# Altium PCB PCB.PcbDoc
Units mm, origin at the board's own origin, x right, y up, seen from the top; angles counter-clockwise.
Board outline 20 x 35 mm, 4 copper layers (L01_SIG, L02_GND, L03_SIG, L04_GND), stack 1.564 mm thick; 23 components, 7 nets, 48 pads, 43 vias.
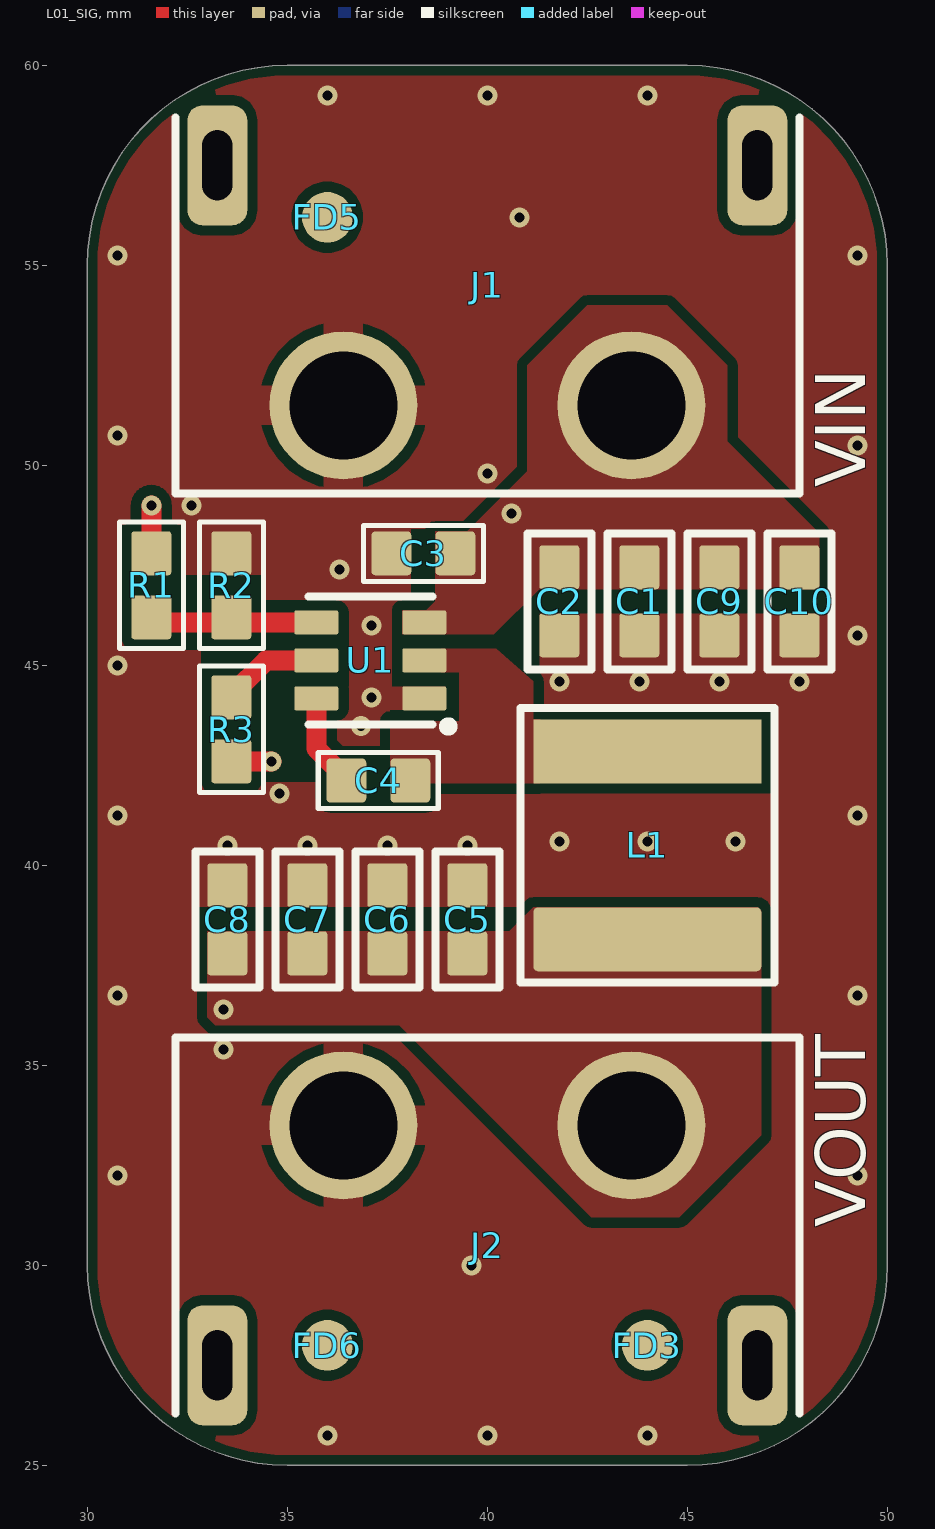
[diagram p0: L01_SIG view]
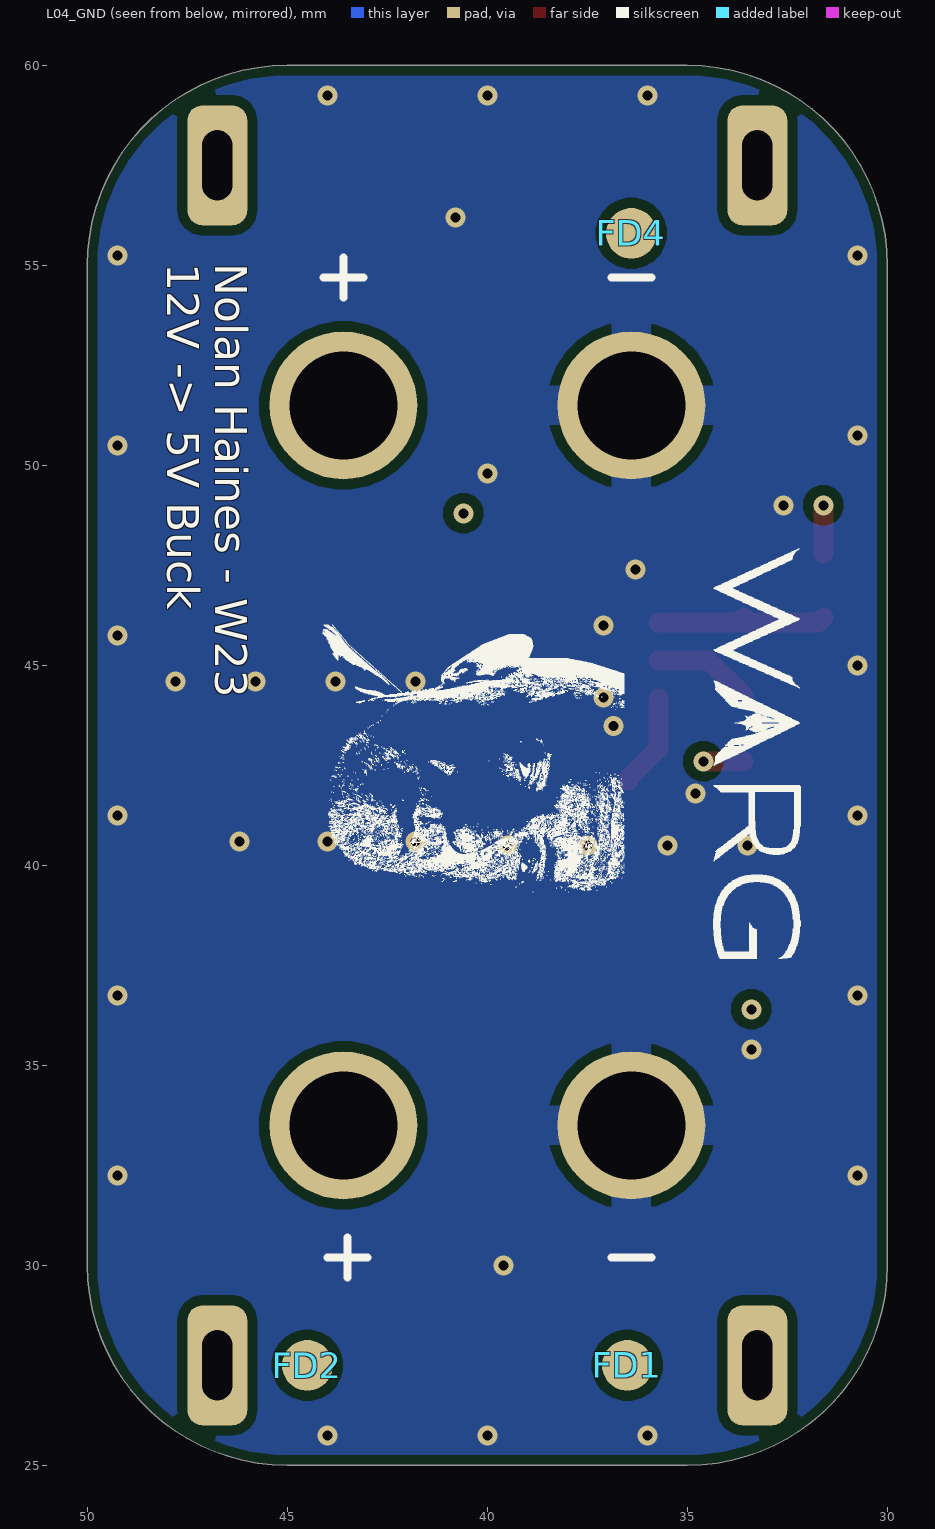
[diagram p1: L04_GND view, seen from below]
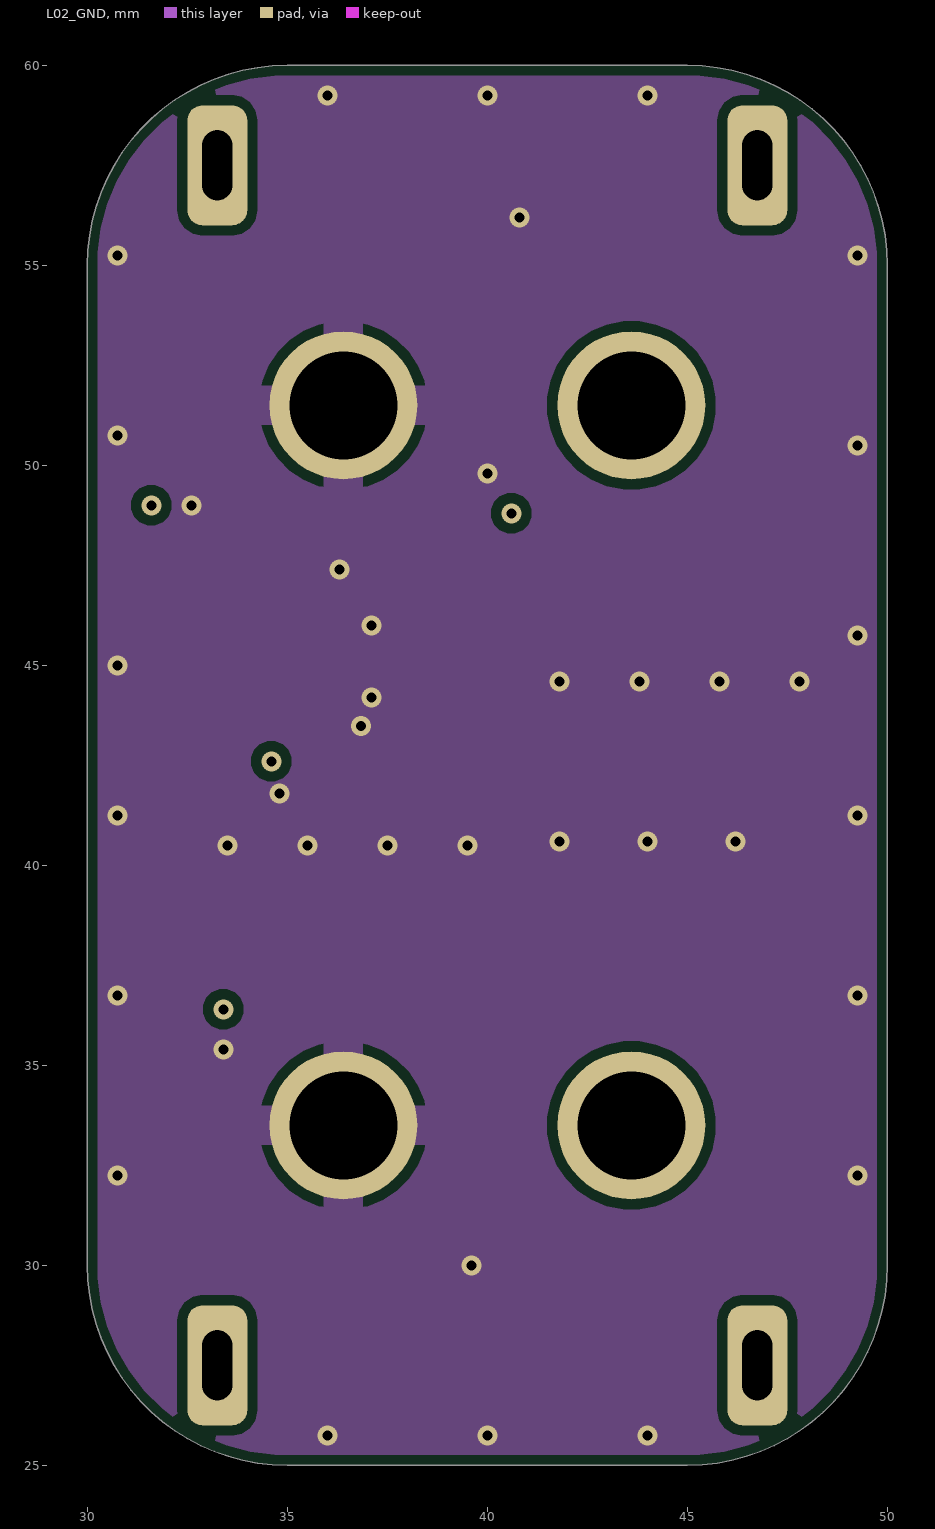
[diagram p2: L02_GND]
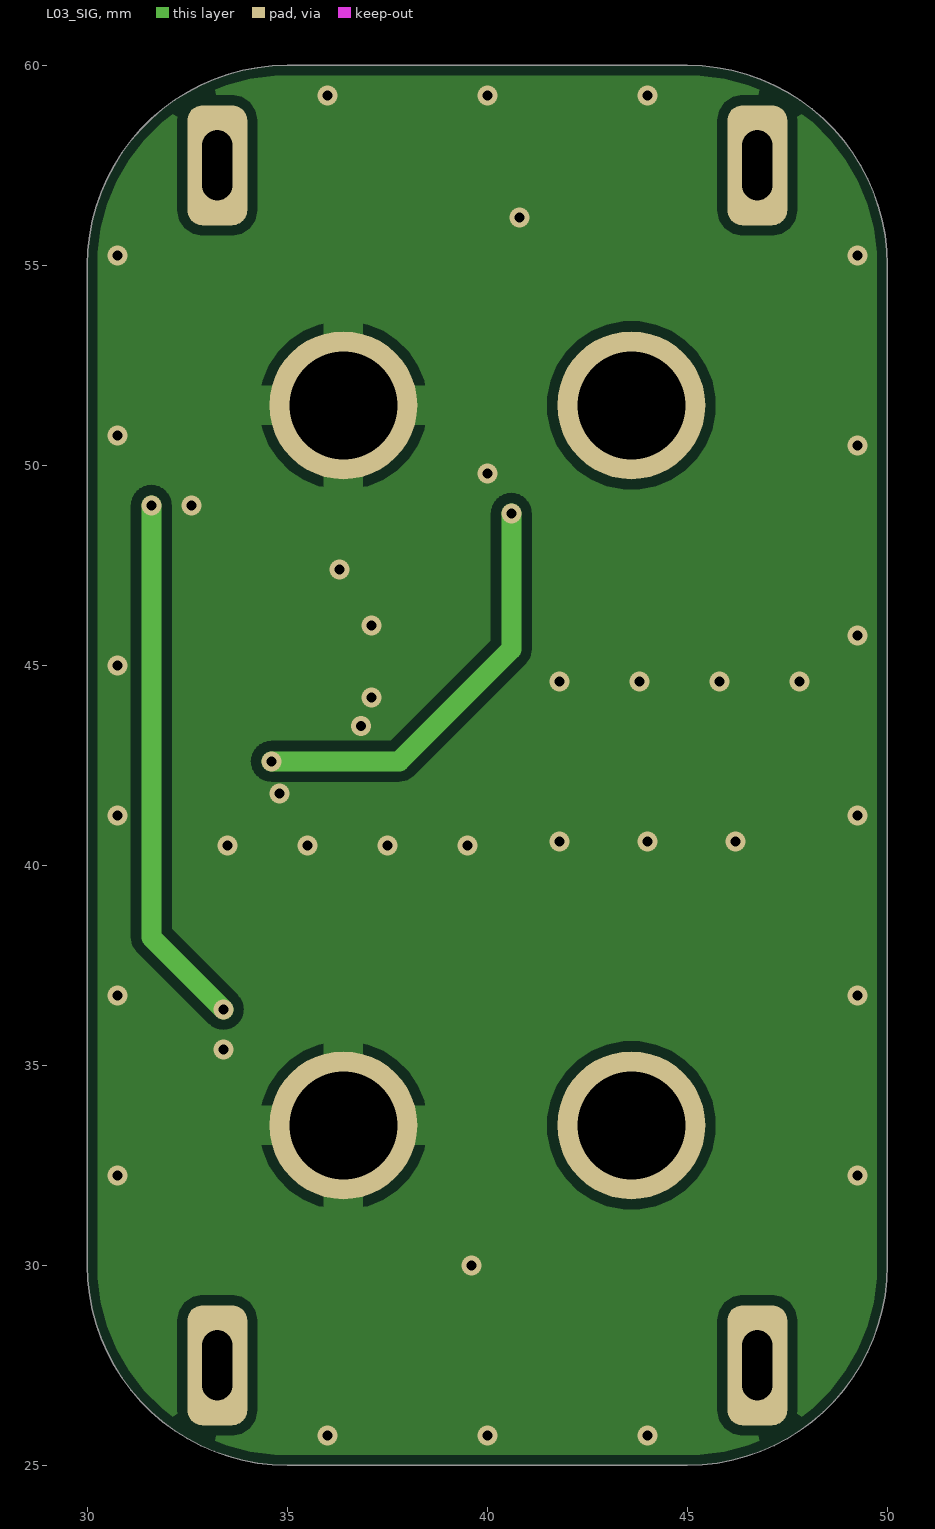
[diagram p3: L03_SIG]
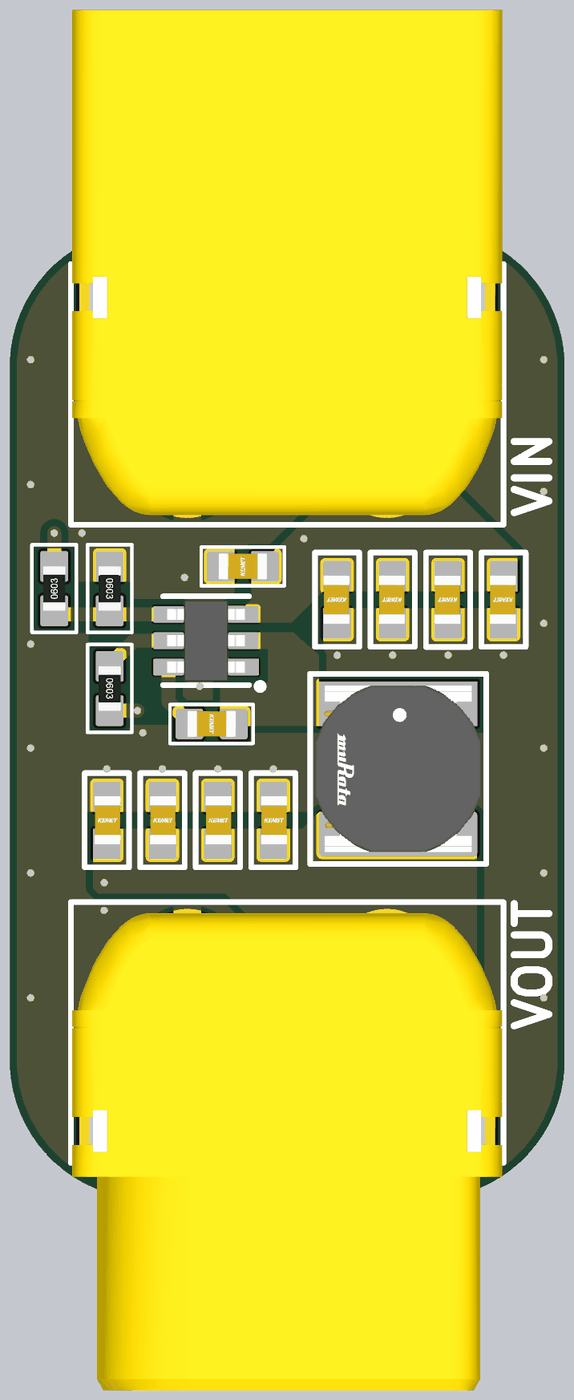
[diagram p4: 3D render of the assembled board from above, using the file's embedded part models]

## Layer stack, top to bottom
Top Solder: solder mask 0.02, Solder Resist, Dk 3.5
L01_SIG: signal copper 0.035
Dielectric 1: prepreg 0.0994, PP-006, Dk 4.1
L02_GND: signal copper 0.0152
Core: core 1.265, FR-4, Dk 4.8
L03_SIG: signal copper 0.0152
Dielectric 2: prepreg 0.0994, PP-006, Dk 4.1
L04_GND: signal copper 0.035
Bottom Solder: solder mask 0.02, Solder Resist, Dk 3.5

## Board outline
30,30 ccw(c35,30) 35,25 45,25 ccw(c45,30) 50,30 50,55 ccw(c45,55) 45,60 35,60 ccw(c35,55) 30,55

## Design rules (kind name [scope] priority, off if disabled: settings)
AcuteAngle [All] p1: minimum=7.50000000000000E+0001 checktracksonly=FALSE
BoardOutlineClearance [All] p1: gap=0.254 ignorepadtopadclearanceinfootprint=FALSE except(0: Arc-SplitContinuation Track-SplitContinuation SMDPad-SplitContinuation THPad-SplitContinuation Via-SplitContinuation Fill-SplitContinuation Poly-SplitContinuation Region-SplitContinuation Text-SplitContinuation)
Clearance [All] p1: gap=0.25 ignorepadtopadclearanceinfootprint=FALSE
HoleSize [All] p1: absolutevalues=TRUE maxlimit=5 minlimit=0.3 maxpercent=80.000 minpercent=20.000
HoleToHoleClearance [All] p1: gap=0.5 allowstackedmicrovias=FALSE
MinimumAnnularRing [All] p1: minimumring=0.1
PolygonConnect [All] p1: connectstyle=Direct reliefconductorwidth=0.5 reliefentries=4 polygonreliefangle="90 Angle" airgapwidth=0.25
RoutingVias [All] p1: holewidth=0.3 width=0.6 viastyle="Through Hole" minholewidth=0.3 minwidth=0.6 maxholewidth=0.5 maxwidth=1
SilkToSilkClearance [All] p1: silktosilkclearance=0.1
SolderMaskExpansion [All] p1: expansion=0.102 istentingtop=FALSE
Width [All] p1: maxlimit=2.54 minlimit=0.2 preferedwidth=0.254
27 further rules are at their usual default settings.

## Components (designator, comment, footprint, x,y, rotation, side; value= is the part's Value field where it differs from the comment)
C1 "GRM188R61E106KA73J" .CAP_0603-Footprint-1 43.8,46.6 r90 top value=10uF
C2 "GRM188R61E106KA73J" .CAP_0603-Footprint-1 41.8,46.6 r90 top value=10uF
C3 "CL10B104KA8NNNC" CAP0603 38.4,47.8 r0 top value=0.1uF
C4 "CL10B104KA8NNNC" CAP0603 37.274,42.121 r180 top value=0.1uF
C5 "GRM188R61E106KA73J" .CAP_0603-Footprint-1 39.5,38.65 r270 top value=10uF
C6 "GRM188R61E106KA73J" .CAP_0603-Footprint-1 37.5,38.65 r270 top value=10uF
C7 "GRM188R61E106KA73J" .CAP_0603-Footprint-1 35.5,38.65 r270 top value=10uF
C8 "GRM188R61E106KA73J" .CAP_0603-Footprint-1 33.5,38.65 r270 top value=10uF
C9 "GRM188R61E106KA73J" .CAP_0603-Footprint-1 45.8,46.597 r90 top value=10uF
C10 "GRM188R61E106KA73J" .CAP_0603-Footprint-1 47.8,46.6 r90 top value=10uF
FD1 "FIDUCIAL-STANDARD" FIDUCIAL-STANDARD-Footprint-1 36.5,27.5 r180 bottom
FD2 "FIDUCIAL-STANDARD" FIDUCIAL-STANDARD-Footprint-1 44.5,27.5 r90 bottom
FD3 "FIDUCIAL-STANDARD" FIDUCIAL-STANDARD-Footprint-1 44,28 r90 top
FD4 "FIDUCIAL-STANDARD" FIDUCIAL-STANDARD-Footprint-1 36.4,55.8 r90 bottom
FD5 "FIDUCIAL-STANDARD" FIDUCIAL-STANDARD-Footprint-1 36,56.2 r90 top
FD6 "FIDUCIAL-STANDARD" FIDUCIAL-STANDARD-Footprint-1 36,28 r90 top
J1 "XT60PW-M" XT60PW-M-Footprint-1 40,51.5 r0 top
J2 "XT60PW-F" XT60PW-F-Footprint-1 40,33.5 r180 top
L1 "1255AY-4R7M=P3" FP-DG6045C-MFG 44,40.5 r270 top
R1 "RC0603FR-0754K9L" .RES_0603-Footprint-1 31.6,47 r90 top
R2 "RC0603DR-0710KL" .RES_0603-Footprint-1 33.6,47 r270 top
R3 "RC0603DR-0710KL" .RES_0603-Footprint-1 33.6,43.4 r270 top value=10k
U1 "TPS563201DDCR" TPS56320 37.074,45.121 r180 top

## Footprints (in the part's own frame and the unit in brackets; to place one, negate y for a bottom-side part, rotate by r counter-clockwise, add the part's x,y. Pads: shape width x height; smd on the part's side, far side on the other; paste and mask are expansions set on the pad)
.CAP_0603-Footprint-1 [mm]
  rrect15% 1.1x1 smd: 1(-0.85,0) 2(0.85,0)
  silkscreen extent -1.7,-0.8 1.7,0.8, body extent -0.87,-0.45 0.87,0.5, height 0.87
.RES_0603-Footprint-1 [mm]
  rrect15% 1.1x1 smd: 1(-0.8,0) 2(0.8,0)
  silkscreen extent -1.58,-0.8 1.58,0.8, body extent -0.8,-0.4 0.8,0.4, height 0.46
CAP0603 [mm] "Generic CAP 0603 Footprint"
  rrect20% 1x1.1 smd: 1(-0.8,0) 2(0.8,0)
  silkscreen extent -1.5,-0.7 1.5,0.7, body extent -0.88,-0.48 0.88,0.47, height 0.87
FIDUCIAL-STANDARD-Footprint-1 [mm]
  round 1.27 smd: 1(0,0)
FP-DG6045C-MFG [mm]
  rect 1.6x5.7 smd: 1(-2.35,0)
  rrect15% 1.6x5.7 smd: 2(2.35,0)
  silkscreen extent -3.43,-3.18 3.43,3.18, body extent -3,-3 3,3, height 4.5
TPS56320 [mm]
  rrect15% 1.1x0.6 smd mask+0.06: 1(-1.35,0.95) 2(-1.35,0) 3(-1.35,-0.95) 4(1.35,-0.95) 5(1.35,0) 6(1.35,0.95)
  silkscreen extent -2.03,-1.6 1.55,1.73, body extent -1.4,-1.45 1.4,1.45, height 0.97
XT60PW-F-Footprint-1 [mm] "XT60PW-F-Footprint-1"
  round 3.7 hole 2.7: 1(-3.6,0) 2(3.6,0)
  rrect50% 1.5x3 hole 0.75 slot 1.75 at 90 deg: MH0(-6.75,6) MH1(6.75,6)
  silkscreen extent -7.8,-2.2 7.8,7.2, body extent -7.75,-1.8 7.75,15.4, height 8.4
XT60PW-M-Footprint-1 [mm] "XT60PW-M-Footprint-1"
  round 3.7 hole 2.7: 1(3.6,0) 2(-3.6,0)
  rrect50% 1.5x3 hole 0.75 slot 1.75 at 90 deg: MH0(-6.75,6) MH1(6.75,6)
  silkscreen extent -7.8,-2.2 7.8,7.2, body extent -7.75,-1.85 7.75,16.35, height 8.41

## Part data
C1 C2 C5 C6 C7 C8 C9 C10: library part CMP-00056-1, "CAP CER 10UF 25V X5R 0603", Case/Package=0603, Temperature Coefficient=X5R, Voltage Rating=25V
C3 C4: library part CMP-00057-1, "CAP CER 0.1UF 25V X7R 0603", Capacitance=100nF, Case/Package=0603, Dielectric=X7R, Tolerance=10%, Voltage Rating=25V
FD1 FD2 FD3 FD4 FD5 FD6: library part CMP-00028-00000-1, "Standard Fiducial"
J1: library part CMP-00007-11, "Board Mount XT60PW-M 2 Pin Male Connector", Manufacturer=TME
J2: library part CMP-00086-5, "Board Mount XT60PW-F 2 Pin Female Connector", Manufacturer=TME
L1: library part CMP-006-00006-6, "FIXED IND 4.7UH 4A 23 MOHM SMD", Current Rating=4.5A, DC Resistance (DCR)=27.6mR, Inductance=4.7uH, Max DC Current=4A, Tolerance=20%, Core Material=Ferrite, Mount="Surface Mount"
R1: library part CMP-001-00025-1, "RES 54.9k OHM 1% 1/10@ 0603", Case/Package=0603, Power Rating=100mW, Resistance=54.9k, Tolerance=1%, Voltage Rating=50V
R2: library part CMP-001-00026-1, "RES 10K OHM 0.5% 1/10W 0603", Case/Package=0603, Power Rating=100mW, Resistance=10k, Tolerance=0.5%
R3: library part CMP-001-00026-1, "RES 10K OHM 0.5% 1/10W 0603", Case/Package=0603, Power Rating=100mW, Resistance=10kR, Tolerance=0.5%
U1: library part CMP-001-0000-7, "Buck Switching Regulator IC Positive Adjustable 0.768V 1 Output 3A SOT-23-6 Thin, TSOT-23-6", Case/Package=SOT-23-6, Max Input Voltage=17V, Max Output Voltage=7V, Min Input Voltage=4.5V, Min Output Voltage=768mV, Output Current=3A, Switching Frequency=580kHz, Mount="Surface Mount", Packaging="Cut Tape"

## Via types
v1: diameter 0.5, hole 0.25, L01_SIG to L04_GND, tented both sides, 43 vias

## Nets (pads, with @x,y where several pads share a name; then routed paths per layer and width w, separated by ;. In a path a pad name is that pad's centre, name@x,y a point inside that pad or via, vN(x,y) a via of type N, cw(c..) or ccw(c..) an arc to the next point about the centre after c; other vN are vias at no path point)
GND: C1.1 C2.1 C3.1 C5.1 C6.1 C7.1 C8.1 C9.1 C10.1 J1.2 J2.2 R2.1 U1.1
  other v1: 36,25.75 40,25.75 44,25.75 39.6,30 30.75,32.25 49.25,32.25 33.4,35.4 30.75,36.75 49.25,36.75 33.5,40.5 35.5,40.5 37.5,40.5 39.5,40.5 41.8,40.6 44,40.6 46.2,40.6 30.75,41.25 49.25,41.25 34.8,41.8 36.848,43.478 37.1,44.2 41.8,44.6 43.8,44.6 45.8,44.6 47.8,44.6 30.75,45 49.25,45.75 37.1,46 36.3,47.4 32.6,49 40,49.8 49.25,50.5 30.75,50.75 30.75,55.25 49.25,55.25 40.8,56.2 36,59.25 40,59.25 44,59.25
U1_BOOT: C4.2 U1.6 | length 2.4
  L01_SIG w0.5: U1.6 35.724,42.921 36.474,42.171 C4.2
U1_EN: R3.1 U1.5 | length 2.5
  L01_SIG w0.5: R3.1 33.6,44.25 34.471,45.121 U1.5
U1_FB: R1.1 R2.2 U1.4 | length 4.5
  L01_SIG w0.5: R1.1 R1.1@31.705,46.095 ; R1.1@31.734,46.071 R2.2@33.729,46.071 ; R2.2@33.495,46.095 R2.2 R2.2@33.729,46.071 ; U1.4 R2.2@33.729,46.071
U1_SW: C4.1 L1.1 U1.2
VIN: C1.2 C2.2 C3.2 C9.2 C10.2 J1.1 R3.2 U1.3 | length 11.6
  L01_SIG w0.5: R3.2 v1(34.6,42.6)
  L03_SIG w0.5: v1(34.6,42.6) 37.8,42.6 40.6,45.4 v1(40.6,48.8)
VOUT: C5.2 C6.2 C7.2 C8.2 J2.1 L1.2 R1.2 | length 14.5
  L01_SIG w0.5: R1.2 v1(31.6,49)
  L03_SIG w0.5: v1(31.6,49) 31.6,38.2 v1(33.4,36.4)
pads on no net: FD1.1 FD2.1 FD3.1 FD4.1 FD5.1 FD6.1 J1.MH0 J1.MH1 J2.MH0 J2.MH1

## Polygon pours and split planes (outlines as drawn)
GND on L01_SIG "GND_L01_P012" (solid, pour order 12): 30,24.9 50,24.9 50,59.9 30,59.9
VOUT on L01_SIG "tga" (solid, pour order 8): 46.85,38.95 46.846,36.204 46.846,33.246 44.8,31.2 42.6,31.2 41.4,32.4 37.8,36 33.6,36 33.2,36 33,36.2 33,38.35 40.55,38.35 41.15,38.95
U1_SW on L01_SIG "U1_SW_L01_P011" (solid, pour order 11): 40.225,45.42 41.15,44.602 41.15,43.65 41.325,43.65 41.325,42.05 38.029,42.05 37.575,42.504 37.575,43.6 39.3,43.6 39.3,44.822 38.85,44.822 38.85,45.42
VIN on L01_SIG "VIN_L01_P006" (solid, pour order 6): 48.3,46.897 48.3,48.3 46,50.6 46,52.5 44.5,54 42.5,54 41,52.5 41,49.853 39.497,48.35 38.7,48.35 38.7,46.597 38.478,46.375 37.875,46.375 37.875,45.775 40.165,45.775 41.296,46.897
GND on L04_GND "GND_L04_P002" (solid, pour order 2): 30,25 30,60 50,60 50,25
GND on L02_GND "GND_L02_P001" (solid, remove dead copper, pour order 1): 30,25 30,60 50,60 50,25
GND on L03_SIG "GND_L03_P013" (solid, pour order 13): 30,60 50,60 50,25 30,25

## Other copper
L01_SIG:
  pour cut-out: 34.356,46.371 35.846,46.371 35.846,46.628 34.356,46.628
  pour cut-out: 40.55,38.95 40.55,38.828 40.9,38.828 40.9,38.95
  pour cut-out: 36.219,42.928 37.448,42.928 37.448,42.977 36.219,42.977
  pour cut-out: 36.273,46.326 36.273,44.475 36.53,44.475 36.53,46.326
  pour cut-out: 37.875,46.326 37.875,44.475 37.618,44.475 37.618,46.326
  pour cut-out: 36.874,41.521 36.874,41.314 38.474,41.314 38.474,41.521
  pour cut-out: 41.3,46.3 41.3,43.905 41.196,43.905 41.196,46.3
  pour cut-out: 34.331,42.297 34.331,42.09 35.717,42.09 35.717,42.297
  pour cut-out: 32.844,45.394 32.844,42.9 33.275,42.9 33.275,45.394
  pour cut-out: 32.025,45.6 32.025,45.394 33.857,45.394 33.857,45.6
  pour cut-out: 38.975,44.475 38.975,43.875 37.575,43.875 37.575,43.85 39.05,43.85 39.05,44.475
  pour cut-out: 39.05,44.475 37.625,44.475 37.625,44.8 39.05,44.8
  pour cut-out: 48.556,46.9 41.3,46.9 41.3,46.3 48.556,46.3
  pour cut-out: 38.7,48.4 38.1,48.4 38.1,46.75 38.7,46.75
  pour cut-out: 32.1,47.25 32.375,47.25 32.375,48.5 32.1,48.5
  pour cut-out: 31.1,47.25 30.825,47.25 30.825,48.5 31.1,48.5
  pour cut-out: 34.35,46.75 33.1,46.75 32.175,46.75 30.825,46.75 30.825,47.25 34.35,47.25
  pour cut-out: 32.744,38.95 40.55,38.95 40.55,38.35 32.744,38.35

## Silkscreen, mask and mechanical layers (free items; w line width, h text height)
Top Overlay:
  lines w0.2: 47.8,49.3 47.8,58.7
  text "VIN" at 49.446,49.454 h1.25 r90
  text "VOUT" at 49.446,30.954 h1.25 r90
Bottom Overlay:
  drawing of 4307 lines, arcs and shapes, not listed
  text "Nolan Haines - W23 / 12V -> 5V Buck" at 48,55.05 h0.8 r90
Drill Guide:
  drawing of 538 lines, arcs and shapes, not listed
  text "Layer" at 55.135,63.965 h0.25
  text "Name" at 56.859,63.965 h0.25
  text "Material" at 60.75,63.965 h0.25
  text "Thickness" at 64.349,63.965 h0.25
  text "Constant" at 67.073,63.965 h0.25
  text "Board Layer Stack" at 69.464,63.965 h0.25
  text "Top Overlay" at 56.859,63.465 h0.25
  text "Top Solder" at 56.859,62.965 h0.25
  text "Solder Resist" at 60.75,62.965 h0.25
  text "0.79mil" at 64.349,62.965 h0.25
  text "3.5" at 67.073,62.965 h0.25
  text "1" at 55.135,62.465 h0.25
  text "L01_SIG" at 56.859,62.465 h0.25
  text "1.38mil" at 64.349,62.465 h0.25
  text "Dielectric 1" at 56.859,61.965 h0.25
  text "PP-006" at 60.75,61.965 h0.25
  text "3.91mil" at 64.349,61.965 h0.25
  text "4.1" at 67.073,61.965 h0.25
  text "2" at 55.135,61.465 h0.25
  text "L02_GND" at 56.859,61.465 h0.25
  text "CF-004" at 60.75,61.465 h0.25
  text "0.60mil" at 64.349,61.465 h0.25
  text "Core" at 56.859,60.965 h0.25
  text "FR-4" at 60.75,60.965 h0.25
  text "49.80mil" at 64.349,60.965 h0.25
  text "4.8" at 67.073,60.965 h0.25
  text "3" at 55.135,60.465 h0.25
  text "L03_SIG" at 56.859,60.465 h0.25
  text "CF-004" at 60.75,60.465 h0.25
  text "0.60mil" at 64.349,60.465 h0.25
  text "Dielectric 2" at 56.859,59.965 h0.25
  text "PP-006" at 60.75,59.965 h0.25
  text "3.91mil" at 64.349,59.965 h0.25
  text "4.1" at 67.073,59.965 h0.25
  text "4" at 55.135,59.465 h0.25
  text "L04_GND" at 56.859,59.465 h0.25
  text "1.38mil" at 64.349,59.465 h0.25
  text "Bottom Solder" at 56.859,58.965 h0.25
  text "Solder Resist" at 60.75,58.965 h0.25
  text "0.79mil" at 64.349,58.965 h0.25
  text "3.5" at 67.073,58.965 h0.25
  text "Bottom Overlay" at 56.859,58.465 h0.25
M1 Board Outline:
  the board outline again, w0.2
Drill Drawing:
  circle w0.03: c31.132,67.26 r0.1
  lines w0.03: 31.032,66.91 31.232,66.91 31.132,66.71 31.032,66.91 ; 31.032,67.61 31.232,67.61 31.232,67.81 31.032,67.81 31.032,67.61
  lines w0.04: 30.852,66.575 73.368,66.575 ; 30.852,67.925 73.368,67.925 ; 32.505,66.125 32.505,68.375 ; 34.095,66.125 34.095,68.375 ; 37.544,66.125 37.544,68.375 ; 39.061,66.125 39.061,68.375 ; 41.263,66.125 41.263,68.375 ; 44.832,66.125 44.832,68.375 ; 46.601,66.125 46.601,68.375 ; 49.87,66.125 49.87,68.375 ; 55.328,66.125 55.328,68.375 ; 57.89,66.125 57.89,68.375 ; 61.891,66.125 61.891,68.375 ; 65.891,66.125 65.891,68.375 ; 69.16,66.125 69.16,68.375 ; 30.852,66.125 73.368,66.125 73.368,68.375 30.852,68.375 30.852,66.125
  text "Symbol" at 31.122,68.06 h0.22
  text "Count" at 32.64,68.06 h0.22
  text "Hole Size" at 34.23,68.06 h0.22
  text "Plated" at 37.679,68.06 h0.22
  text "Hole Type" at 39.196,68.06 h0.22
  text "Drill Layer Pair" at 41.398,68.06 h0.22
  text "Via/Pad" at 44.967,68.06 h0.22
  text "Pad Shape" at 46.736,68.06 h0.22
  text "Template" at 50.005,68.06 h0.22
  text "Description" at 55.463,68.06 h0.22
  text "Hole Tolerance (+)" at 58.025,68.06 h0.22
  text "Hole Tolerance (-)" at 62.025,68.06 h0.22
  text "Hole Length" at 66.026,68.06 h0.22
  text "Routed Path Length" at 69.295,68.06 h0.22
  text "4" at 32.64,67.61 h0.18
  text "29.53mil (0.750mm)" at 34.23,67.61 h0.18
  text "PTH" at 37.679,67.61 h0.18
  text "Slot" at 39.196,67.61 h0.18
  text "L01_SIG - L04_GND" at 41.398,67.61 h0.18
  text "Pad" at 44.967,67.61 h0.18
  text "Rounded Rectangle" at 46.736,67.61 h0.18
  text "r150_300h75_175r50(Tol5-5)" at 50.005,67.61 h0.18
  text "1.97mil (0.050mm)" at 58.025,67.61 h0.18
  text "1.97mil (0.050mm)" at 62.025,67.61 h0.18
  text "68.90mil (1.750mm)" at 66.026,67.61 h0.18
  text "39.37mil (1.000mm)" at 69.295,67.61 h0.18
  text "4" at 32.64,67.16 h0.18
  text "106.30mil (2.700mm)" at 34.23,67.16 h0.18
  text "PTH" at 37.679,67.16 h0.18
  text "Round" at 39.196,67.16 h0.18
  text "L01_SIG - L04_GND" at 41.398,67.16 h0.18
  text "Pad" at 44.967,67.16 h0.18
  text "Rounded" at 46.736,67.16 h0.18
  text "(Mixed)" at 50.005,67.16 h0.18
  text "3.94mil (0.100mm)" at 58.025,67.16 h0.18
  text "3.94mil (0.100mm)" at 62.025,67.16 h0.18
  text "-" at 66.026,67.16 h0.18
  text "-" at 69.295,67.16 h0.18
  text "43" at 32.64,66.71 h0.18
  text "9.84mil (0.250mm)" at 34.23,66.71 h0.18
  text "PTH" at 37.679,66.71 h0.18
  text "Round" at 39.196,66.71 h0.18
  text "L01_SIG - L04_GND" at 41.398,66.71 h0.18
  text "Via" at 44.967,66.71 h0.18
  text "Rounded" at 46.736,66.71 h0.18
  text "v50h25m0mx0(Tol10-10)_91342138" at 50.005,66.71 h0.18
  text "3.94mil (0.100mm)" at 58.025,66.71 h0.18
  text "3.94mil (0.100mm)" at 62.025,66.71 h0.18
  text "-" at 66.026,66.71 h0.18
  text "-" at 69.295,66.71 h0.18
  text "51 Total" at 32.64,66.26 h0.18
  text "Slot definitions :" at 31.122,65.825 h0.18
  text "Routed Path Length" at 34.22,65.825 h0.18
  text "= Calculated from tool start centre position to tool end centre position." at 37.528,65.825 h0.18
  text "Hole Length" at 34.22,65.525 h0.18
  text "= Routed Path Length + Tool Size = Slot length as defined in the PCB layout" at 36.299,65.525 h0.18